# Altium PCB STB_LightBoard.PcbDoc (part 6 of 31) (continued)
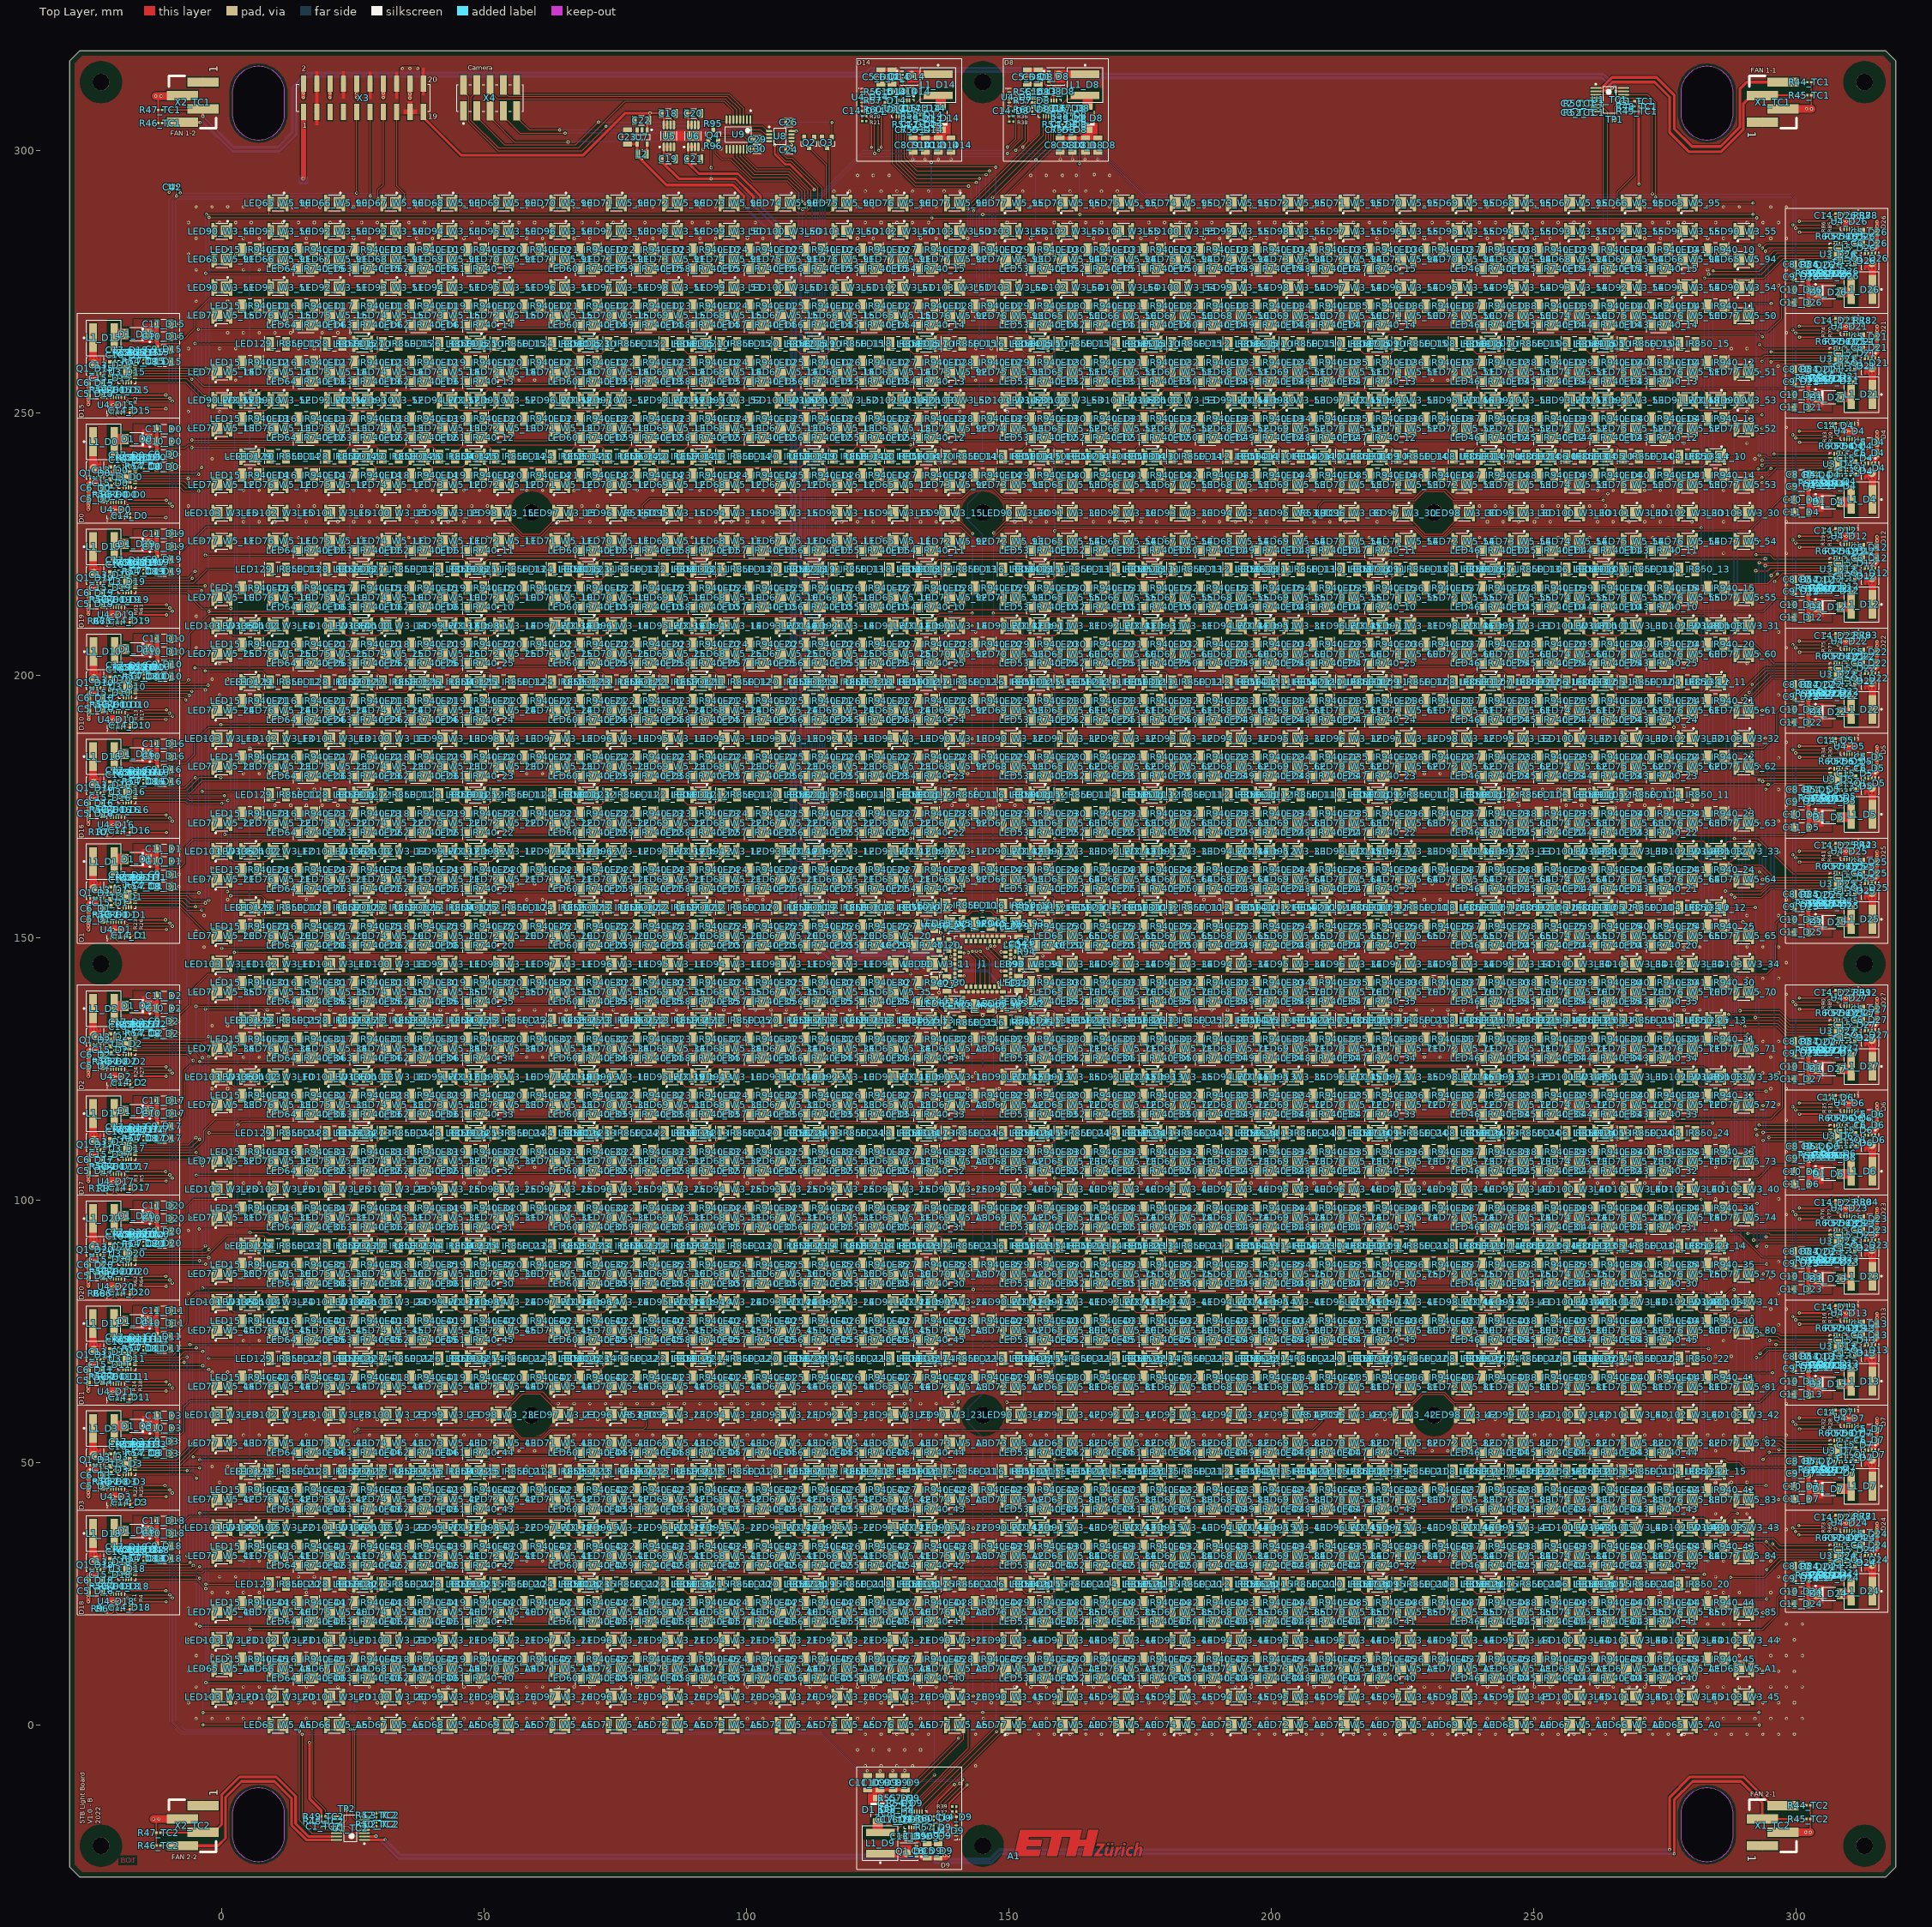
[diagram p0: Top Layer view]
## Components (designator, comment, footprint, x,y, rotation, side; value= is the part's Value field where it differs from the comment) (continued)
LED40_IR940_43 "AREM-90C0-KL000" AREM-80C0-LM000 273.895,34.023 r180 top (schematic designator LED40)
LED40_IR940_44 "AREM-90C0-KL000" AREM-80C0-LM000 273.895,23.282 r180 top (schematic designator LED40)
LED40_IR940_45 "AREM-90C0-KL000" AREM-80C0-LM000 273.895,12.541 r180 top (schematic designator LED40)
LED41_IR940_10 "AREM-90C0-KL000" AREM-80C0-LM000 284.636,281.066 r180 top (schematic designator LED41)
LED41_IR940_11 "AREM-90C0-KL000" AREM-80C0-LM000 284.636,270.325 r180 top (schematic designator LED41)
LED41_IR940_12 "AREM-90C0-KL000" AREM-80C0-LM000 284.636,259.584 r180 top (schematic designator LED41)
LED41_IR940_13 "AREM-90C0-KL000" AREM-80C0-LM000 284.636,248.843 r180 top (schematic designator LED41)
LED41_IR940_14 "AREM-90C0-KL000" AREM-80C0-LM000 284.636,238.102 r180 top (schematic designator LED41)
LED41_IR940_15 "AREM-90C0-KL000" AREM-80C0-LM000 284.636,216.62 r180 top (schematic designator LED41)
LED41_IR940_20 "AREM-90C0-KL000" AREM-80C0-LM000 284.636,205.879 r180 top (schematic designator LED41)
LED41_IR940_21 "AREM-90C0-KL000" AREM-80C0-LM000 284.636,195.138 r180 top (schematic designator LED41)
LED41_IR940_22 "AREM-90C0-KL000" AREM-80C0-LM000 284.636,184.397 r180 top (schematic designator LED41)
LED41_IR940_23 "AREM-90C0-KL000" AREM-80C0-LM000 284.636,173.656 r180 top (schematic designator LED41)
LED41_IR940_24 "AREM-90C0-KL000" AREM-80C0-LM000 284.636,162.915 r180 top (schematic designator LED41)
LED41_IR940_25 "AREM-90C0-KL000" AREM-80C0-LM000 284.636,152.174 r180 top (schematic designator LED41)
LED41_IR940_30 "AREM-90C0-KL000" AREM-80C0-LM000 284.636,141.433 r180 top (schematic designator LED41)
LED41_IR940_31 "AREM-90C0-KL000" AREM-80C0-LM000 284.636,130.692 r180 top (schematic designator LED41)
LED41_IR940_32 "AREM-90C0-KL000" AREM-80C0-LM000 284.636,119.951 r180 top (schematic designator LED41)
LED41_IR940_33 "AREM-90C0-KL000" AREM-80C0-LM000 284.636,109.21 r180 top (schematic designator LED41)
LED41_IR940_34 "AREM-90C0-KL000" AREM-80C0-LM000 284.636,98.469 r180 top (schematic designator LED41)
LED41_IR940_35 "AREM-90C0-KL000" AREM-80C0-LM000 284.636,87.728 r180 top (schematic designator LED41)
LED41_IR940_40 "AREM-90C0-KL000" AREM-80C0-LM000 284.636,76.987 r180 top (schematic designator LED41)
LED41_IR940_41 "AREM-90C0-KL000" AREM-80C0-LM000 284.636,66.246 r180 top (schematic designator LED41)
LED41_IR940_42 "AREM-90C0-KL000" AREM-80C0-LM000 284.636,44.764 r180 top (schematic designator LED41)
LED41_IR940_43 "AREM-90C0-KL000" AREM-80C0-LM000 284.636,34.023 r180 top (schematic designator LED41)
LED41_IR940_44 "AREM-90C0-KL000" AREM-80C0-LM000 284.636,23.282 r180 top (schematic designator LED41)
LED41_IR940_45 "AREM-90C0-KL000" AREM-80C0-LM000 284.636,12.541 r180 top (schematic designator LED41)
LED42_r_10 "NE2R757GT-P6" NE2R757GT-P6 209.449,241.65 r180 top (schematic designator LED42)
LED42_r_11 "NE2R757GT-P6" NE2R757GT-P6 209.449,198.69 r180 top (schematic designator LED42)
LED42_r_12 "NE2R757GT-P6" NE2R757GT-P6 209.449,155.73 r180 top (schematic designator LED42)
LED42_r_13 "NE2R757GT-P6" NE2R757GT-P6 209.449,134.25 r180 top (schematic designator LED42)
LED42_r_14 "NE2R757GT-P6" NE2R757GT-P6 209.449,91.29 r180 top (schematic designator LED42)
LED42_r_15 "NE2R757GT-P6" NE2R757GT-P6 209.449,48.33 r180 top (schematic designator LED42)
LED43_IR740_10 "QBHP686-IR4D" QBHP686-IR4D 273.795,213.02 r0 top (schematic designator LED43)
LED43_IR740_11 "QBHP686-IR4D" QBHP686-IR4D 273.795,223.761 r0 top (schematic designator LED43)
LED43_IR740_12 "QBHP686-IR4D" QBHP686-IR4D 273.795,245.243 r0 top (schematic designator LED43)
LED43_IR740_13 "QBHP686-IR4D" QBHP686-IR4D 273.795,255.984 r0 top (schematic designator LED43)
LED43_IR740_14 "QBHP686-IR4D" QBHP686-IR4D 273.795,266.725 r0 top (schematic designator LED43)
LED43_IR740_15 "QBHP686-IR4D" QBHP686-IR4D 273.795,277.466 r0 top (schematic designator LED43)
LED43_IR740_20 "QBHP686-IR4D" QBHP686-IR4D 273.795,148.574 r0 top (schematic designator LED43)
LED43_IR740_21 "QBHP686-IR4D" QBHP686-IR4D 273.795,159.315 r0 top (schematic designator LED43)
LED43_IR740_22 "QBHP686-IR4D" QBHP686-IR4D 273.795,170.056 r0 top (schematic designator LED43)
LED43_IR740_23 "QBHP686-IR4D" QBHP686-IR4D 273.795,180.797 r0 top (schematic designator LED43)
LED43_IR740_24 "QBHP686-IR4D" QBHP686-IR4D 273.795,191.538 r0 top (schematic designator LED43)
LED43_IR740_25 "QBHP686-IR4D" QBHP686-IR4D 273.795,202.279 r0 top (schematic designator LED43)
LED43_IR740_30 "QBHP686-IR4D" QBHP686-IR4D 273.795,84.128 r0 top (schematic designator LED43)
LED43_IR740_31 "QBHP686-IR4D" QBHP686-IR4D 273.795,94.869 r0 top (schematic designator LED43)
LED43_IR740_32 "QBHP686-IR4D" QBHP686-IR4D 273.795,105.61 r0 top (schematic designator LED43)
LED43_IR740_33 "QBHP686-IR4D" QBHP686-IR4D 273.795,116.351 r0 top (schematic designator LED43)
LED43_IR740_34 "QBHP686-IR4D" QBHP686-IR4D 273.795,127.092 r0 top (schematic designator LED43)
LED43_IR740_35 "QBHP686-IR4D" QBHP686-IR4D 273.795,137.833 r0 top (schematic designator LED43)
LED43_IR740_40 "QBHP686-IR4D" QBHP686-IR4D 273.795,8.941 r0 top (schematic designator LED43)
LED43_IR740_41 "QBHP686-IR4D" QBHP686-IR4D 273.795,19.682 r0 top (schematic designator LED43)
LED43_IR740_42 "QBHP686-IR4D" QBHP686-IR4D 273.795,30.423 r0 top (schematic designator LED43)
LED43_IR740_43 "QBHP686-IR4D" QBHP686-IR4D 273.795,41.164 r0 top (schematic designator LED43)
LED43_IR740_44 "QBHP686-IR4D" QBHP686-IR4D 273.795,51.905 r0 top (schematic designator LED43)
LED43_IR740_45 "QBHP686-IR4D" QBHP686-IR4D 273.795,73.387 r0 top (schematic designator LED43)
LED44_IR740_10 "QBHP686-IR4D" QBHP686-IR4D 263.054,213.02 r0 top (schematic designator LED44)
LED44_IR740_11 "QBHP686-IR4D" QBHP686-IR4D 263.054,223.761 r0 top (schematic designator LED44)
LED44_IR740_12 "QBHP686-IR4D" QBHP686-IR4D 263.054,245.243 r0 top (schematic designator LED44)
LED44_IR740_13 "QBHP686-IR4D" QBHP686-IR4D 263.054,255.984 r0 top (schematic designator LED44)
LED44_IR740_14 "QBHP686-IR4D" QBHP686-IR4D 263.054,266.725 r0 top (schematic designator LED44)
LED44_IR740_15 "QBHP686-IR4D" QBHP686-IR4D 263.054,277.466 r0 top (schematic designator LED44)
LED44_IR740_20 "QBHP686-IR4D" QBHP686-IR4D 263.054,148.574 r0 top (schematic designator LED44)
LED44_IR740_21 "QBHP686-IR4D" QBHP686-IR4D 263.054,159.315 r0 top (schematic designator LED44)
LED44_IR740_22 "QBHP686-IR4D" QBHP686-IR4D 263.054,170.056 r0 top (schematic designator LED44)
LED44_IR740_23 "QBHP686-IR4D" QBHP686-IR4D 263.054,180.797 r0 top (schematic designator LED44)
LED44_IR740_24 "QBHP686-IR4D" QBHP686-IR4D 263.054,191.538 r0 top (schematic designator LED44)
LED44_IR740_25 "QBHP686-IR4D" QBHP686-IR4D 263.054,202.279 r0 top (schematic designator LED44)
LED44_IR740_30 "QBHP686-IR4D" QBHP686-IR4D 263.054,84.128 r0 top (schematic designator LED44)
LED44_IR740_31 "QBHP686-IR4D" QBHP686-IR4D 263.054,94.869 r0 top (schematic designator LED44)
LED44_IR740_32 "QBHP686-IR4D" QBHP686-IR4D 263.054,105.61 r0 top (schematic designator LED44)
LED44_IR740_33 "QBHP686-IR4D" QBHP686-IR4D 263.054,116.351 r0 top (schematic designator LED44)
LED44_IR740_34 "QBHP686-IR4D" QBHP686-IR4D 263.054,127.092 r0 top (schematic designator LED44)
LED44_IR740_35 "QBHP686-IR4D" QBHP686-IR4D 263.054,137.833 r0 top (schematic designator LED44)
LED44_IR740_40 "QBHP686-IR4D" QBHP686-IR4D 263.054,8.941 r0 top (schematic designator LED44)
LED44_IR740_41 "QBHP686-IR4D" QBHP686-IR4D 263.054,19.682 r0 top (schematic designator LED44)
LED44_IR740_42 "QBHP686-IR4D" QBHP686-IR4D 263.054,30.423 r0 top (schematic designator LED44)
LED44_IR740_43 "QBHP686-IR4D" QBHP686-IR4D 263.054,41.164 r0 top (schematic designator LED44)
LED44_IR740_44 "QBHP686-IR4D" QBHP686-IR4D 263.054,51.905 r0 top (schematic designator LED44)
LED44_IR740_45 "QBHP686-IR4D" QBHP686-IR4D 263.054,73.387 r0 top (schematic designator LED44)
LED45_IR740_10 "QBHP686-IR4D" QBHP686-IR4D 252.313,213.02 r0 top (schematic designator LED45)
LED45_IR740_11 "QBHP686-IR4D" QBHP686-IR4D 252.313,223.761 r0 top (schematic designator LED45)
LED45_IR740_12 "QBHP686-IR4D" QBHP686-IR4D 252.313,245.243 r0 top (schematic designator LED45)
LED45_IR740_13 "QBHP686-IR4D" QBHP686-IR4D 252.313,255.984 r0 top (schematic designator LED45)
LED45_IR740_14 "QBHP686-IR4D" QBHP686-IR4D 252.313,266.725 r0 top (schematic designator LED45)
LED45_IR740_15 "QBHP686-IR4D" QBHP686-IR4D 252.313,277.466 r0 top (schematic designator LED45)
LED45_IR740_20 "QBHP686-IR4D" QBHP686-IR4D 252.313,148.574 r0 top (schematic designator LED45)
LED45_IR740_21 "QBHP686-IR4D" QBHP686-IR4D 252.313,159.315 r0 top (schematic designator LED45)
LED45_IR740_22 "QBHP686-IR4D" QBHP686-IR4D 252.313,170.056 r0 top (schematic designator LED45)
LED45_IR740_23 "QBHP686-IR4D" QBHP686-IR4D 252.313,180.797 r0 top (schematic designator LED45)
LED45_IR740_24 "QBHP686-IR4D" QBHP686-IR4D 252.313,191.538 r0 top (schematic designator LED45)
LED45_IR740_25 "QBHP686-IR4D" QBHP686-IR4D 252.313,202.279 r0 top (schematic designator LED45)
LED45_IR740_30 "QBHP686-IR4D" QBHP686-IR4D 252.313,84.128 r0 top (schematic designator LED45)
LED45_IR740_31 "QBHP686-IR4D" QBHP686-IR4D 252.313,94.869 r0 top (schematic designator LED45)
LED45_IR740_32 "QBHP686-IR4D" QBHP686-IR4D 252.313,105.61 r0 top (schematic designator LED45)
LED45_IR740_33 "QBHP686-IR4D" QBHP686-IR4D 252.313,116.351 r0 top (schematic designator LED45)
LED45_IR740_34 "QBHP686-IR4D" QBHP686-IR4D 252.313,127.092 r0 top (schematic designator LED45)
LED45_IR740_35 "QBHP686-IR4D" QBHP686-IR4D 252.313,137.833 r0 top (schematic designator LED45)
LED45_IR740_40 "QBHP686-IR4D" QBHP686-IR4D 252.313,8.941 r0 top (schematic designator LED45)
LED45_IR740_41 "QBHP686-IR4D" QBHP686-IR4D 252.313,19.682 r0 top (schematic designator LED45)
LED45_IR740_42 "QBHP686-IR4D" QBHP686-IR4D 252.313,30.423 r0 top (schematic designator LED45)
LED45_IR740_43 "QBHP686-IR4D" QBHP686-IR4D 252.313,41.164 r0 top (schematic designator LED45)
LED45_IR740_44 "QBHP686-IR4D" QBHP686-IR4D 252.313,51.905 r0 top (schematic designator LED45)
LED45_IR740_45 "QBHP686-IR4D" QBHP686-IR4D 252.313,73.387 r0 top (schematic designator LED45)
LED46_IR740_10 "QBHP686-IR4D" QBHP686-IR4D 241.572,213.02 r0 top (schematic designator LED46)
LED46_IR740_11 "QBHP686-IR4D" QBHP686-IR4D 241.572,223.761 r0 top (schematic designator LED46)
LED46_IR740_12 "QBHP686-IR4D" QBHP686-IR4D 241.572,245.243 r0 top (schematic designator LED46)
LED46_IR740_13 "QBHP686-IR4D" QBHP686-IR4D 241.572,255.984 r0 top (schematic designator LED46)
LED46_IR740_14 "QBHP686-IR4D" QBHP686-IR4D 241.572,266.725 r0 top (schematic designator LED46)
LED46_IR740_15 "QBHP686-IR4D" QBHP686-IR4D 241.572,277.466 r0 top (schematic designator LED46)
LED46_IR740_20 "QBHP686-IR4D" QBHP686-IR4D 241.572,148.574 r0 top (schematic designator LED46)
LED46_IR740_21 "QBHP686-IR4D" QBHP686-IR4D 241.572,159.315 r0 top (schematic designator LED46)
LED46_IR740_22 "QBHP686-IR4D" QBHP686-IR4D 241.572,170.056 r0 top (schematic designator LED46)
LED46_IR740_23 "QBHP686-IR4D" QBHP686-IR4D 241.572,180.797 r0 top (schematic designator LED46)
LED46_IR740_24 "QBHP686-IR4D" QBHP686-IR4D 241.572,191.538 r0 top (schematic designator LED46)
LED46_IR740_25 "QBHP686-IR4D" QBHP686-IR4D 241.572,202.279 r0 top (schematic designator LED46)
LED46_IR740_30 "QBHP686-IR4D" QBHP686-IR4D 241.572,84.128 r0 top (schematic designator LED46)
LED46_IR740_31 "QBHP686-IR4D" QBHP686-IR4D 241.572,94.869 r0 top (schematic designator LED46)
LED46_IR740_32 "QBHP686-IR4D" QBHP686-IR4D 241.572,105.61 r0 top (schematic designator LED46)
LED46_IR740_33 "QBHP686-IR4D" QBHP686-IR4D 241.572,116.351 r0 top (schematic designator LED46)
LED46_IR740_34 "QBHP686-IR4D" QBHP686-IR4D 241.572,127.092 r0 top (schematic designator LED46)
LED46_IR740_35 "QBHP686-IR4D" QBHP686-IR4D 241.572,137.833 r0 top (schematic designator LED46)
LED46_IR740_40 "QBHP686-IR4D" QBHP686-IR4D 241.572,8.941 r0 top (schematic designator LED46)
LED46_IR740_41 "QBHP686-IR4D" QBHP686-IR4D 241.572,19.682 r0 top (schematic designator LED46)
LED46_IR740_42 "QBHP686-IR4D" QBHP686-IR4D 241.572,30.423 r0 top (schematic designator LED46)
LED46_IR740_43 "QBHP686-IR4D" QBHP686-IR4D 241.572,41.164 r0 top (schematic designator LED46)
LED46_IR740_44 "QBHP686-IR4D" QBHP686-IR4D 241.572,51.905 r0 top (schematic designator LED46)
LED46_IR740_45 "QBHP686-IR4D" QBHP686-IR4D 241.572,73.387 r0 top (schematic designator LED46)
LED47_IR740_10 "QBHP686-IR4D" QBHP686-IR4D 220.09,213.02 r0 top (schematic designator LED47)
LED47_IR740_11 "QBHP686-IR4D" QBHP686-IR4D 220.09,223.761 r0 top (schematic designator LED47)
LED47_IR740_12 "QBHP686-IR4D" QBHP686-IR4D 220.09,245.243 r0 top (schematic designator LED47)
LED47_IR740_13 "QBHP686-IR4D" QBHP686-IR4D 220.09,255.984 r0 top (schematic designator LED47)
LED47_IR740_14 "QBHP686-IR4D" QBHP686-IR4D 220.09,266.725 r0 top (schematic designator LED47)
LED47_IR740_15 "QBHP686-IR4D" QBHP686-IR4D 220.09,277.466 r0 top (schematic designator LED47)
LED47_IR740_20 "QBHP686-IR4D" QBHP686-IR4D 220.09,148.574 r0 top (schematic designator LED47)
LED47_IR740_21 "QBHP686-IR4D" QBHP686-IR4D 220.09,159.315 r0 top (schematic designator LED47)
LED47_IR740_22 "QBHP686-IR4D" QBHP686-IR4D 220.09,170.056 r0 top (schematic designator LED47)
LED47_IR740_23 "QBHP686-IR4D" QBHP686-IR4D 220.09,180.797 r0 top (schematic designator LED47)
LED47_IR740_24 "QBHP686-IR4D" QBHP686-IR4D 220.09,191.538 r0 top (schematic designator LED47)
LED47_IR740_25 "QBHP686-IR4D" QBHP686-IR4D 220.09,202.279 r0 top (schematic designator LED47)
LED47_IR740_30 "QBHP686-IR4D" QBHP686-IR4D 220.09,84.128 r0 top (schematic designator LED47)
LED47_IR740_31 "QBHP686-IR4D" QBHP686-IR4D 220.09,94.869 r0 top (schematic designator LED47)
LED47_IR740_32 "QBHP686-IR4D" QBHP686-IR4D 220.09,105.61 r0 top (schematic designator LED47)
LED47_IR740_33 "QBHP686-IR4D" QBHP686-IR4D 220.09,116.351 r0 top (schematic designator LED47)
LED47_IR740_34 "QBHP686-IR4D" QBHP686-IR4D 220.09,127.092 r0 top (schematic designator LED47)
LED47_IR740_35 "QBHP686-IR4D" QBHP686-IR4D 220.09,137.833 r0 top (schematic designator LED47)
LED47_IR740_40 "QBHP686-IR4D" QBHP686-IR4D 220.09,8.941 r0 top (schematic designator LED47)
LED47_IR740_41 "QBHP686-IR4D" QBHP686-IR4D 220.09,19.682 r0 top (schematic designator LED47)
LED47_IR740_42 "QBHP686-IR4D" QBHP686-IR4D 220.09,30.423 r0 top (schematic designator LED47)
LED47_IR740_43 "QBHP686-IR4D" QBHP686-IR4D 220.09,41.164 r0 top (schematic designator LED47)
LED47_IR740_44 "QBHP686-IR4D" QBHP686-IR4D 220.09,51.905 r0 top (schematic designator LED47)
LED47_IR740_45 "QBHP686-IR4D" QBHP686-IR4D 220.09,73.387 r0 top (schematic designator LED47)
LED48_IR740_10 "QBHP686-IR4D" QBHP686-IR4D 209.349,213.02 r0 top (schematic designator LED48)
LED48_IR740_11 "QBHP686-IR4D" QBHP686-IR4D 209.349,223.761 r0 top (schematic designator LED48)
LED48_IR740_12 "QBHP686-IR4D" QBHP686-IR4D 209.349,245.243 r0 top (schematic designator LED48)
LED48_IR740_13 "QBHP686-IR4D" QBHP686-IR4D 209.349,255.984 r0 top (schematic designator LED48)
LED48_IR740_14 "QBHP686-IR4D" QBHP686-IR4D 209.349,266.725 r0 top (schematic designator LED48)
LED48_IR740_15 "QBHP686-IR4D" QBHP686-IR4D 209.349,277.466 r0 top (schematic designator LED48)
LED48_IR740_20 "QBHP686-IR4D" QBHP686-IR4D 209.349,148.574 r0 top (schematic designator LED48)
LED48_IR740_21 "QBHP686-IR4D" QBHP686-IR4D 209.349,159.315 r0 top (schematic designator LED48)
LED48_IR740_22 "QBHP686-IR4D" QBHP686-IR4D 209.349,170.056 r0 top (schematic designator LED48)
LED48_IR740_23 "QBHP686-IR4D" QBHP686-IR4D 209.349,180.797 r0 top (schematic designator LED48)
LED48_IR740_24 "QBHP686-IR4D" QBHP686-IR4D 209.349,191.538 r0 top (schematic designator LED48)
LED48_IR740_25 "QBHP686-IR4D" QBHP686-IR4D 209.349,202.279 r0 top (schematic designator LED48)
LED48_IR740_30 "QBHP686-IR4D" QBHP686-IR4D 209.349,84.128 r0 top (schematic designator LED48)
LED48_IR740_31 "QBHP686-IR4D" QBHP686-IR4D 209.349,94.869 r0 top (schematic designator LED48)
LED48_IR740_32 "QBHP686-IR4D" QBHP686-IR4D 209.349,105.61 r0 top (schematic designator LED48)
LED48_IR740_33 "QBHP686-IR4D" QBHP686-IR4D 209.349,116.351 r0 top (schematic designator LED48)
LED48_IR740_34 "QBHP686-IR4D" QBHP686-IR4D 209.349,127.092 r0 top (schematic designator LED48)
LED48_IR740_35 "QBHP686-IR4D" QBHP686-IR4D 209.349,137.833 r0 top (schematic designator LED48)
LED48_IR740_40 "QBHP686-IR4D" QBHP686-IR4D 209.349,8.941 r0 top (schematic designator LED48)
LED48_IR740_41 "QBHP686-IR4D" QBHP686-IR4D 209.349,19.682 r0 top (schematic designator LED48)
LED48_IR740_42 "QBHP686-IR4D" QBHP686-IR4D 209.349,30.423 r0 top (schematic designator LED48)
LED48_IR740_43 "QBHP686-IR4D" QBHP686-IR4D 209.349,41.164 r0 top (schematic designator LED48)
LED48_IR740_44 "QBHP686-IR4D" QBHP686-IR4D 209.349,51.905 r0 top (schematic designator LED48)
LED48_IR740_45 "QBHP686-IR4D" QBHP686-IR4D 209.349,73.387 r0 top (schematic designator LED48)
LED49_IR740_10 "QBHP686-IR4D" QBHP686-IR4D 198.608,213.02 r0 top (schematic designator LED49)
LED49_IR740_11 "QBHP686-IR4D" QBHP686-IR4D 198.608,223.761 r0 top (schematic designator LED49)
LED49_IR740_12 "QBHP686-IR4D" QBHP686-IR4D 198.608,245.243 r0 top (schematic designator LED49)
LED49_IR740_13 "QBHP686-IR4D" QBHP686-IR4D 198.608,255.984 r0 top (schematic designator LED49)
LED49_IR740_14 "QBHP686-IR4D" QBHP686-IR4D 198.608,266.725 r0 top (schematic designator LED49)
LED49_IR740_15 "QBHP686-IR4D" QBHP686-IR4D 198.608,277.466 r0 top (schematic designator LED49)
LED49_IR740_20 "QBHP686-IR4D" QBHP686-IR4D 198.608,148.574 r0 top (schematic designator LED49)
LED49_IR740_21 "QBHP686-IR4D" QBHP686-IR4D 198.608,159.315 r0 top (schematic designator LED49)
LED49_IR740_22 "QBHP686-IR4D" QBHP686-IR4D 198.608,170.056 r0 top (schematic designator LED49)
LED49_IR740_23 "QBHP686-IR4D" QBHP686-IR4D 198.608,180.797 r0 top (schematic designator LED49)
LED49_IR740_24 "QBHP686-IR4D" QBHP686-IR4D 198.608,191.538 r0 top (schematic designator LED49)
LED49_IR740_25 "QBHP686-IR4D" QBHP686-IR4D 198.608,202.279 r0 top (schematic designator LED49)
LED49_IR740_30 "QBHP686-IR4D" QBHP686-IR4D 198.608,84.128 r0 top (schematic designator LED49)
LED49_IR740_31 "QBHP686-IR4D" QBHP686-IR4D 198.608,94.869 r0 top (schematic designator LED49)
LED49_IR740_32 "QBHP686-IR4D" QBHP686-IR4D 198.608,105.61 r0 top (schematic designator LED49)
LED49_IR740_33 "QBHP686-IR4D" QBHP686-IR4D 198.608,116.351 r0 top (schematic designator LED49)
LED49_IR740_34 "QBHP686-IR4D" QBHP686-IR4D 198.608,127.092 r0 top (schematic designator LED49)
LED49_IR740_35 "QBHP686-IR4D" QBHP686-IR4D 198.608,137.833 r0 top (schematic designator LED49)
LED49_IR740_40 "QBHP686-IR4D" QBHP686-IR4D 198.608,8.941 r0 top (schematic designator LED49)
LED49_IR740_41 "QBHP686-IR4D" QBHP686-IR4D 198.608,19.682 r0 top (schematic designator LED49)
LED49_IR740_42 "QBHP686-IR4D" QBHP686-IR4D 198.608,30.423 r0 top (schematic designator LED49)
LED49_IR740_43 "QBHP686-IR4D" QBHP686-IR4D 198.608,41.164 r0 top (schematic designator LED49)
LED49_IR740_44 "QBHP686-IR4D" QBHP686-IR4D 198.608,51.905 r0 top (schematic designator LED49)
LED49_IR740_45 "QBHP686-IR4D" QBHP686-IR4D 198.608,73.387 r0 top (schematic designator LED49)
LED50_IR740_10 "QBHP686-IR4D" QBHP686-IR4D 187.867,213.02 r0 top (schematic designator LED50)
LED50_IR740_11 "QBHP686-IR4D" QBHP686-IR4D 187.867,223.761 r0 top (schematic designator LED50)
LED50_IR740_12 "QBHP686-IR4D" QBHP686-IR4D 187.867,245.243 r0 top (schematic designator LED50)
LED50_IR740_13 "QBHP686-IR4D" QBHP686-IR4D 187.867,255.984 r0 top (schematic designator LED50)
LED50_IR740_14 "QBHP686-IR4D" QBHP686-IR4D 187.867,266.725 r0 top (schematic designator LED50)
LED50_IR740_15 "QBHP686-IR4D" QBHP686-IR4D 187.867,277.466 r0 top (schematic designator LED50)
LED50_IR740_20 "QBHP686-IR4D" QBHP686-IR4D 187.867,148.574 r0 top (schematic designator LED50)
LED50_IR740_21 "QBHP686-IR4D" QBHP686-IR4D 187.867,159.315 r0 top (schematic designator LED50)
LED50_IR740_22 "QBHP686-IR4D" QBHP686-IR4D 187.867,170.056 r0 top (schematic designator LED50)
LED50_IR740_23 "QBHP686-IR4D" QBHP686-IR4D 187.867,180.797 r0 top (schematic designator LED50)
LED50_IR740_24 "QBHP686-IR4D" QBHP686-IR4D 187.867,191.538 r0 top (schematic designator LED50)
LED50_IR740_25 "QBHP686-IR4D" QBHP686-IR4D 187.867,202.279 r0 top (schematic designator LED50)
LED50_IR740_30 "QBHP686-IR4D" QBHP686-IR4D 187.867,84.128 r0 top (schematic designator LED50)
LED50_IR740_31 "QBHP686-IR4D" QBHP686-IR4D 187.867,94.869 r0 top (schematic designator LED50)
LED50_IR740_32 "QBHP686-IR4D" QBHP686-IR4D 187.867,105.61 r0 top (schematic designator LED50)
LED50_IR740_33 "QBHP686-IR4D" QBHP686-IR4D 187.867,116.351 r0 top (schematic designator LED50)
LED50_IR740_34 "QBHP686-IR4D" QBHP686-IR4D 187.867,127.092 r0 top (schematic designator LED50)
LED50_IR740_35 "QBHP686-IR4D" QBHP686-IR4D 187.867,137.833 r0 top (schematic designator LED50)
LED50_IR740_40 "QBHP686-IR4D" QBHP686-IR4D 187.867,8.941 r0 top (schematic designator LED50)
LED50_IR740_41 "QBHP686-IR4D" QBHP686-IR4D 187.867,19.682 r0 top (schematic designator LED50)
LED50_IR740_42 "QBHP686-IR4D" QBHP686-IR4D 187.867,30.423 r0 top (schematic designator LED50)
LED50_IR740_43 "QBHP686-IR4D" QBHP686-IR4D 187.867,41.164 r0 top (schematic designator LED50)
LED50_IR740_44 "QBHP686-IR4D" QBHP686-IR4D 187.867,51.905 r0 top (schematic designator LED50)
LED50_IR740_45 "QBHP686-IR4D" QBHP686-IR4D 187.867,73.387 r0 top (schematic designator LED50)
LED51_IR740_10 "QBHP686-IR4D" QBHP686-IR4D 177.126,213.02 r0 top (schematic designator LED51)
LED51_IR740_11 "QBHP686-IR4D" QBHP686-IR4D 177.126,223.761 r0 top (schematic designator LED51)
LED51_IR740_12 "QBHP686-IR4D" QBHP686-IR4D 177.126,245.243 r0 top (schematic designator LED51)
LED51_IR740_13 "QBHP686-IR4D" QBHP686-IR4D 177.126,255.984 r0 top (schematic designator LED51)
LED51_IR740_14 "QBHP686-IR4D" QBHP686-IR4D 177.126,266.725 r0 top (schematic designator LED51)
LED51_IR740_15 "QBHP686-IR4D" QBHP686-IR4D 177.126,277.466 r0 top (schematic designator LED51)
LED51_IR740_20 "QBHP686-IR4D" QBHP686-IR4D 177.126,148.574 r0 top (schematic designator LED51)
LED51_IR740_21 "QBHP686-IR4D" QBHP686-IR4D 177.126,159.315 r0 top (schematic designator LED51)
LED51_IR740_22 "QBHP686-IR4D" QBHP686-IR4D 177.126,170.056 r0 top (schematic designator LED51)
LED51_IR740_23 "QBHP686-IR4D" QBHP686-IR4D 177.126,180.797 r0 top (schematic designator LED51)
LED51_IR740_24 "QBHP686-IR4D" QBHP686-IR4D 177.126,191.538 r0 top (schematic designator LED51)
LED51_IR740_25 "QBHP686-IR4D" QBHP686-IR4D 177.126,202.279 r0 top (schematic designator LED51)
LED51_IR740_30 "QBHP686-IR4D" QBHP686-IR4D 177.126,84.128 r0 top (schematic designator LED51)
LED51_IR740_31 "QBHP686-IR4D" QBHP686-IR4D 177.126,94.869 r0 top (schematic designator LED51)
LED51_IR740_32 "QBHP686-IR4D" QBHP686-IR4D 177.126,105.61 r0 top (schematic designator LED51)
LED51_IR740_33 "QBHP686-IR4D" QBHP686-IR4D 177.126,116.351 r0 top (schematic designator LED51)
LED51_IR740_34 "QBHP686-IR4D" QBHP686-IR4D 177.126,127.092 r0 top (schematic designator LED51)
LED51_IR740_35 "QBHP686-IR4D" QBHP686-IR4D 177.126,137.833 r0 top (schematic designator LED51)
LED51_IR740_40 "QBHP686-IR4D" QBHP686-IR4D 177.126,8.941 r0 top (schematic designator LED51)
LED51_IR740_41 "QBHP686-IR4D" QBHP686-IR4D 177.126,19.682 r0 top (schematic designator LED51)
LED51_IR740_42 "QBHP686-IR4D" QBHP686-IR4D 177.126,30.423 r0 top (schematic designator LED51)
LED51_IR740_43 "QBHP686-IR4D" QBHP686-IR4D 177.126,41.164 r0 top (schematic designator LED51)
LED51_IR740_44 "QBHP686-IR4D" QBHP686-IR4D 177.126,51.905 r0 top (schematic designator LED51)
LED51_IR740_45 "QBHP686-IR4D" QBHP686-IR4D 177.126,73.387 r0 top (schematic designator LED51)
LED52_IR740_10 "QBHP686-IR4D" QBHP686-IR4D 166.385,213.02 r0 top (schematic designator LED52)
LED52_IR740_11 "QBHP686-IR4D" QBHP686-IR4D 166.385,223.761 r0 top (schematic designator LED52)
LED52_IR740_12 "QBHP686-IR4D" QBHP686-IR4D 166.385,245.243 r0 top (schematic designator LED52)
LED52_IR740_13 "QBHP686-IR4D" QBHP686-IR4D 166.385,255.984 r0 top (schematic designator LED52)
LED52_IR740_14 "QBHP686-IR4D" QBHP686-IR4D 166.385,266.725 r0 top (schematic designator LED52)
LED52_IR740_15 "QBHP686-IR4D" QBHP686-IR4D 166.385,277.466 r0 top (schematic designator LED52)
LED52_IR740_20 "QBHP686-IR4D" QBHP686-IR4D 166.385,148.574 r0 top (schematic designator LED52)
LED52_IR740_21 "QBHP686-IR4D" QBHP686-IR4D 166.385,159.315 r0 top (schematic designator LED52)
LED52_IR740_22 "QBHP686-IR4D" QBHP686-IR4D 166.385,170.056 r0 top (schematic designator LED52)
LED52_IR740_23 "QBHP686-IR4D" QBHP686-IR4D 166.385,180.797 r0 top (schematic designator LED52)
LED52_IR740_24 "QBHP686-IR4D" QBHP686-IR4D 166.385,191.538 r0 top (schematic designator LED52)
LED52_IR740_25 "QBHP686-IR4D" QBHP686-IR4D 166.385,202.279 r0 top (schematic designator LED52)
LED52_IR740_30 "QBHP686-IR4D" QBHP686-IR4D 166.385,84.128 r0 top (schematic designator LED52)
LED52_IR740_31 "QBHP686-IR4D" QBHP686-IR4D 166.385,94.869 r0 top (schematic designator LED52)
LED52_IR740_32 "QBHP686-IR4D" QBHP686-IR4D 166.385,105.61 r0 top (schematic designator LED52)
LED52_IR740_33 "QBHP686-IR4D" QBHP686-IR4D 166.385,116.351 r0 top (schematic designator LED52)
LED52_IR740_34 "QBHP686-IR4D" QBHP686-IR4D 166.385,127.092 r0 top (schematic designator LED52)
LED52_IR740_35 "QBHP686-IR4D" QBHP686-IR4D 166.385,137.833 r0 top (schematic designator LED52)
LED52_IR740_40 "QBHP686-IR4D" QBHP686-IR4D 166.385,8.941 r0 top (schematic designator LED52)
LED52_IR740_41 "QBHP686-IR4D" QBHP686-IR4D 166.385,19.682 r0 top (schematic designator LED52)
LED52_IR740_42 "QBHP686-IR4D" QBHP686-IR4D 166.385,30.423 r0 top (schematic designator LED52)
LED52_IR740_43 "QBHP686-IR4D" QBHP686-IR4D 166.385,41.164 r0 top (schematic designator LED52)
LED52_IR740_44 "QBHP686-IR4D" QBHP686-IR4D 166.385,51.905 r0 top (schematic designator LED52)
LED52_IR740_45 "QBHP686-IR4D" QBHP686-IR4D 166.385,73.387 r0 top (schematic designator LED52)
LED53_IR740_10 "QBHP686-IR4D" QBHP686-IR4D 155.644,213.02 r0 top (schematic designator LED53)
LED53_IR740_11 "QBHP686-IR4D" QBHP686-IR4D 155.644,223.761 r0 top (schematic designator LED53)
LED53_IR740_12 "QBHP686-IR4D" QBHP686-IR4D 155.644,245.243 r0 top (schematic designator LED53)
LED53_IR740_13 "QBHP686-IR4D" QBHP686-IR4D 155.644,255.984 r0 top (schematic designator LED53)
LED53_IR740_14 "QBHP686-IR4D" QBHP686-IR4D 155.644,266.725 r0 top (schematic designator LED53)
LED53_IR740_15 "QBHP686-IR4D" QBHP686-IR4D 155.644,277.466 r0 top (schematic designator LED53)
LED53_IR740_20 "QBHP686-IR4D" QBHP686-IR4D 156.444,148.574 r0 top (schematic designator LED53)
LED53_IR740_21 "QBHP686-IR4D" QBHP686-IR4D 155.644,159.315 r0 top (schematic designator LED53)
LED53_IR740_22 "QBHP686-IR4D" QBHP686-IR4D 155.644,170.056 r0 top (schematic designator LED53)
LED53_IR740_23 "QBHP686-IR4D" QBHP686-IR4D 155.644,180.797 r0 top (schematic designator LED53)
LED53_IR740_24 "QBHP686-IR4D" QBHP686-IR4D 155.644,191.538 r0 top (schematic designator LED53)
LED53_IR740_25 "QBHP686-IR4D" QBHP686-IR4D 155.644,202.279 r0 top (schematic designator LED53)
LED53_IR740_30 "QBHP686-IR4D" QBHP686-IR4D 155.644,84.128 r0 top (schematic designator LED53)
LED53_IR740_31 "QBHP686-IR4D" QBHP686-IR4D 155.644,94.869 r0 top (schematic designator LED53)
LED53_IR740_32 "QBHP686-IR4D" QBHP686-IR4D 155.644,105.61 r0 top (schematic designator LED53)
LED53_IR740_33 "QBHP686-IR4D" QBHP686-IR4D 155.644,116.351 r0 top (schematic designator LED53)
LED53_IR740_34 "QBHP686-IR4D" QBHP686-IR4D 155.644,127.092 r0 top (schematic designator LED53)
LED53_IR740_35 "QBHP686-IR4D" QBHP686-IR4D 155.644,137.833 r0 top (schematic designator LED53)
LED53_IR740_40 "QBHP686-IR4D" QBHP686-IR4D 155.644,8.941 r0 top (schematic designator LED53)
LED53_IR740_41 "QBHP686-IR4D" QBHP686-IR4D 155.644,19.682 r0 top (schematic designator LED53)
LED53_IR740_42 "QBHP686-IR4D" QBHP686-IR4D 155.644,30.423 r0 top (schematic designator LED53)
LED53_IR740_43 "QBHP686-IR4D" QBHP686-IR4D 155.644,41.164 r0 top (schematic designator LED53)
LED53_IR740_44 "QBHP686-IR4D" QBHP686-IR4D 155.644,51.905 r0 top (schematic designator LED53)
LED53_IR740_45 "QBHP686-IR4D" QBHP686-IR4D 155.644,73.387 r0 top (schematic designator LED53)
LED54_IR740_10 "QBHP686-IR4D" QBHP686-IR4D 134.162,213.02 r0 top (schematic designator LED54)
LED54_IR740_11 "QBHP686-IR4D" QBHP686-IR4D 134.162,223.761 r0 top (schematic designator LED54)
LED54_IR740_12 "QBHP686-IR4D" QBHP686-IR4D 134.162,245.243 r0 top (schematic designator LED54)
LED54_IR740_13 "QBHP686-IR4D" QBHP686-IR4D 134.162,255.984 r0 top (schematic designator LED54)
LED54_IR740_14 "QBHP686-IR4D" QBHP686-IR4D 134.162,266.725 r0 top (schematic designator LED54)
LED54_IR740_15 "QBHP686-IR4D" QBHP686-IR4D 134.162,277.466 r0 top (schematic designator LED54)